# Altium PCB 2019主控板v1.1.PcbDoc (continued)
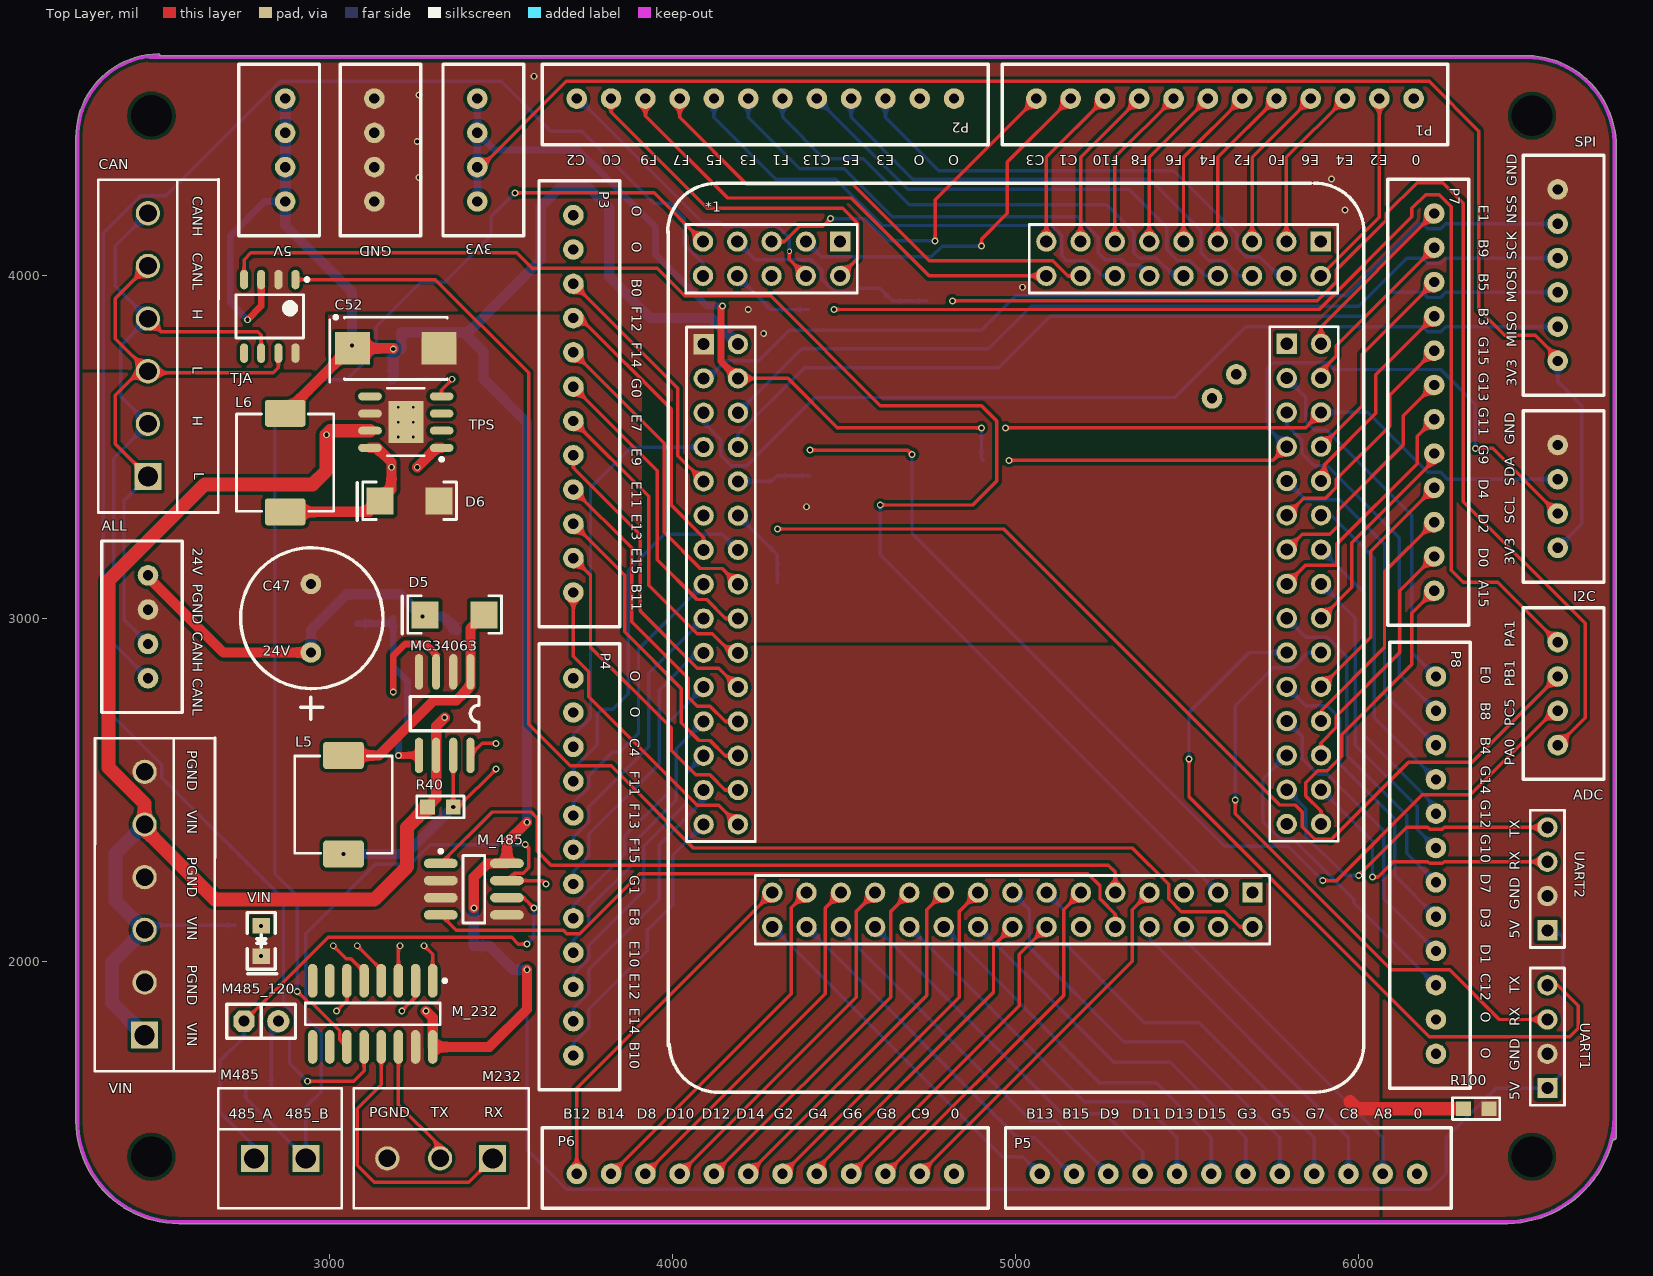
[diagram p0: Top Layer view]
## Nets (pads, with @x,y where several pads share a name; then routed paths per layer and width w, separated by ;. In a path a pad name is that pad's centre, name@x,y a point inside that pad or via, vN(x,y) a via of type N, cw(c..) or ccw(c..) an arc to the next point about the centre after c; other vN are vias at no path point)
3.3V: 3V3.1 3V3.2 3V3.3 3V3.4 *1.32 I2C.1 R48.1 R49.1 SPI.1 | length 6905.8
  Top Layer w10: 3V3.2@3425,4315 3V3.2 3440,4315 3690,4565 6205,4565 6350,4420 6350,3900 6425,3825 6515,3825 SPI.1@6590,3750 ; *1.32 4336,3699 4480,3555 v1(4900,3555)
  Top Layer w20: v1(4145,3910) 4140.47,3905.47 4140.47,3749.47 4140,3749 *1.32
  Bottom Layer w10: R48.1@4900,3465 R48.1@4900,3465.2 ; R49.1@4900,3554.8 R48.1@4900,3465.2 ; R48.1 R48.1@4900,3465.2 ; I2C.1 6650,3275 6650,3620 6580,3690 SPI.1
  Bottom Layer w20: 3V3.1@3425,4210 3V3.1@3425.2,4215.19 ; 3V3.2@3426.97,4305.12 3V3.2@3427.68,4315.17 ; 3V3.1 3V3.2 3V3.3 ; 3V3.4 3V3.3 ; 3V3.3@3434.8,4414.81 3V3.3@3435,4420 ; v1(4145,3910) 4100,3910 3950,4060 3950,4140 3725,4365 3480,4365 3V3.3
5V: 5V.1 5V.2 5V.3 5V.4 *1.30 C52.1 C54.2 C55.2 C56.1 C58.1 L6.2 M_232.16 M_485.8 R45.2 R51.2 TJA.3 UART1.1 UART2.1 | length 10465.3
  Top Layer w20: v1(2760,3870) 2800,3910 TJA.3
  Top Layer w30: L6.2 3065,3792.4 v1(3065,3795) ; C52.1 3183.31,3786.69 v1(3185,3785) v1@3185,3786.85 ; v1(3280,1855) 3300,1835 M_232.16 3465,1750 3575,1860 v1(3575,1975.2) ; v1(3420,2155) 3420,2245 3460,2285 M_485.8 3516.46,2346.46 v1(3575,2405)
  Bottom Layer w10: v1(3575,1975.2) 3575,1450 3690,1335 6210,1335 6255,1380 6255,1485 6400,1630 UART1.1 6550,1632.03 6594.53,1676.56 6594.53,2070.47 UART2.1@6555,2110
  Bottom Layer w20: v1(2760,3870) 2710,3920 2710,4115 2810,4215 5V.4
  Bottom Layer w30: 5V.1@2860,4515 2870,4505 5V.2 5V.3 5V.4 2870,4145 3065,3950 v1(3065,3795) ; R45.2 3185,3699.84 v1(3185,3785) 3208.03,3785 3208.03,3833.35 3390,3833.35 ; v1(3420,2155) C58.1 3465,2045 3534.8,1975.2 v1(3575,1975.2) ; v1(3575,2405) 3575,3570 3448.35,3696.65 3448.35,3775 3390,3833.35 ; *1.30 4114,3875 3935,3875 3815,3995 3815,4195 3750,4260 3675,4260 3615,4200 3615,4045 3403.35,3833.35 3390,3833.35
24V: ALL.1 C47.1 C48.2 D5.K R41.1 | length 1114.8
  Top Layer w30: 2490,3100 2690,2900 C47.1
  Bottom Layer w30: C47.1 2945,2965 3050,3070 3205,3070 v1(3270,3005) 3330,3005 C48.2
ADC1_1: ADC.1 R32.2 | length 3431.3
  Top Layer w10: v1(4815,3925) 5878.97,3925 5933.53,3979.56 5933.53,4014.24 6080,4160.72 6080,4180 6170,4270 6245,4270 6305,4210 6305,3340 6660,2985 6660,2710 6600,2650 ADC.1@6600,2640
ADC1_2: ADC.2 R38.2 | length 3083.7
  Top Layer w10: v1(4400,3490) 4685,3490 v1(4697.5,3477.5) ; v1(5895,2235) 5935,2235 6185,2485 6325,2485 6570,2730 ADC.2 6590,2730 6600,2720 ADC.2@6600,2740
  Bottom Layer w10: v1(4697.5,3477.5) 4697.5,3247.5 5609.53,2335.47 5794.53,2335.47 v1(5895,2235)
ADC2: ADC.3 R33.2 | length 2898
  Top Layer w10: v1(4305,3260) 4965,3260 5769.53,2455.47 5814.53,2455.47 5835,2435 5835,2392.03 5871.56,2355.47 5914.53,2355.47 5917.5,2352.5 6145,2580 6330,2580 ADC.3 6590,2840 ADC.3@6600,2840
ADC3: ADC.4 R37.2 | length 3440.7
  Top Layer w10: v1(4470,3900) 5885,3900 6155,4170 6155,4195 6195,4235 6235,4235 6270,4200 6270,3140 6305,3105 6405,3105 6570,2940 ADC.4@6600,2940
CAN_RX: *1.61 TJA.4 | length 4547.2
  Top Layer w10: TJA.4 2750,4045 2770,4065 3545,4065 3591.54,4018.46 3593.08,4020 3955,4020 4035,3940 4285,3940 4605,3620 4900,3620 4945,3575 4945,3400 4875,3330 v1(4605,3330)
  Bottom Layer w10: v1(4605,3330) 4605,3185 *1.61
CAN_TX: *1.60 TJA.1 | length 4196.5
  Top Layer w10: TJA.1 3307.72,3987.28 3580,3715 3580,2691.36 3701.36,2570 3820,2570 4060,2330 5340,2330 5445.47,2224.53 5445.47,2181.56 5482.5,2144.53 5608.44,2144.53 5652.97,2100 *1.60
CANH: ALL.3 CAN.1 CAN.3 CAN.5 TJA.7 | length 1763.1
  Top Layer w10: CAN.1 2375,3507.91 2375,3650 2445,3720 CAN.3 ; CAN.5 2375,3932.09 2375,3815 CAN.3 ; TJA.7 2850,3730 2835,3715 2475,3715 CAN.3
  Bottom Layer w10: ALL.3 2400,2995 2400,3342.91 CAN.1
CANL: ALL.4 CAN.2 CAN.4 CAN.6 TJA.6 | length 1985.8
  Top Layer w10: CAN.4 2508.54,3835 2790,3835 2800,3825 TJA.6
  Bottom Layer w10: ALL.4 2370,2925 2370,3466.46 CAN.2 2390,3646.46 2390,3793.54 CAN.4 2375,3968.54 2375,4085.63 CAN.6
GND: *1.29 GND.1 GND.2 GND.3 GND.4 I2C.4 R35.1 R36.1 R42.1 R43.1 R100.2 SPI.6 TJA.2 TJA.8 UART1.2 UART2.2
  other v1: 4390,3325 4265,3830 4220,3900 5020,3965 5960,4190 5920,4280 3260,4285 3255,4390 3260,4525 3595,4580
MAX485_A: M485.2 M485_120.2 M_485.6 R51.1 | length 1624.4
  Top Layer w10: M485_120.2@2735,1825 M485_120.2 2995,2070 3530,2070 3550,2050 v1(3575,2050) ; M_485.6 3565,2185 v1(3595,2155)
  Bottom Layer w10: M485_120.2 2750,1780 2680,1710 2680,1560 2780,1460 M485.2 ; v1(3575,2050) 3595,2070 v1(3595,2155)
MAX485_B: M485.1 M_485.7 R50.2 R52.2 | length 1991.6
  Top Layer w10: v1(3570,2340) 3580.67,2329.33 3580.67,2273.08 3563.81,2256.22 3537.68,2256.22 M_485.7 3619.8,2235 v1(3630,2224.8)
  Bottom Layer w10: R52.2@2760,1630 R52.2 2755,1600 M485.1 2930,1575 2975,1620 2975,1790 2930,1835 2930,2080 3132.6,2282.6 3235.02,2282.6 3292.43,2340 v1(3570,2340)
NetC50_2: C50.2 MC34063.3 | length 308.3
  Top Layer w20: v1(3185,2785) 3185,2890 3220,2925 3280,2925 3310,2895 MC34063.3
NetC51_1: C51.1 TPS.1 | length 94.5
  Top Layer w30: v1(3255,3440) 3311.69,3496.69 TPS.1
NetC51_2: C51.2 D6.K L6.1 TPS.8 | length 496.8
  Top Layer w30: L6.1 3114.96,3310 D6.K 3180,3375.04 v1(3180,3440) 3180,3455 3138.31,3496.69 TPS.8
NetC55_1: C55.1 M_232.2 | length 104.5
  Top Layer w10: v1(3210,1855) 3250,1895 M_232.2
NetC57_1: C57.1 M_232.3 | length 104.2
  Top Layer w10: M_232.3 3200,2040 v1(3205,2045)
NetC57_2: C57.2 M_232.1 | length 112.4
  Top Layer w10: v1(3275,2045) 3300,2020 M_232.1
NetC59_1: C59.1 M_232.5 | length 147.6
  Top Layer w10: v1(3010,2045) 3047.87,2007.13 3061.92,2007.13 3100,1969.05 M_232.5
NetC59_2: C59.2 M_232.4 | length 131.1
  Top Layer w10: v1(3080,2045) 3150,1975 M_232.4
NetC60_2: C60.2 M_232.6 | length 100.3
  Top Layer w10: v1(3020,1855) 3050,1885 M_232.6
NetD5_A: D5.A L5.1 MC34063.1 | length 678.5
  Top Layer w30: L5.1 3143.43,2600 3303.43,2760 3368.51,2760 3410,2801.49 MC34063.1 3410,2970 D5.A
NetL5_2: L5.2 MC34063.7 R39.1 R40.2 | length 697.5
  Top Layer w10: MC34063.7 v1(3360,2450) 3375,2450 v1(3485,2560)
  Bottom Layer w30: v1(3040,2312.6) 3222.6,2312.6 v1(3360,2450)
NetM485_120_1: M485_120.1 R52.1 | length 197.2
  Bottom Layer w10: R52.1 2829.8,1819.8 M485_120.1@2835,1825
NetMC34063_5: MC34063.5 R41.2 R44.1 | length 599.6
  Top Layer w20: v1(3200,2600) MC34063.5
  Bottom Layer w20: R44.1 3169.8,2984.8 R41.2 3185,2858.56 3226.65,2816.91 3226.65,2682.23 3200,2655.57 v1(3200,2600)
NetMC34063_8: MC34063.8 R39.2 | length 89.5
  Top Layer w10: MC34063.8 3445,2635 v1(3485,2635)
NetR45_1: R45.1 R46.2 TPS.4 | length 162.7
  Top Layer w10: TPS.4 3325.98,3666.02 v1(3356.65,3696.69)
  Bottom Layer w10: R45.1 v1(3356.65,3696.69)
NetR47_1: R47.1 VIN.A
  other v1: 2800,2103
PA0: *1.25 R32.1 R35.2 | length 645.8
  Bottom Layer w10: *1.25 4241,4045 4403.97,4045 4435,4013.97 4435,3988.03 4469.56,3953.47 4529.15,3953.47 4537.33,3961.65 4603.35,3961.65 R35.2 R32.1
PA1: *1.26 R37.1 R42.2 | length 247.8
  Bottom Layer w10: *1.26 4286,3900 R42.2 R37.1
PA8: *1.64 P5.2 | length 960.2
  Bottom Layer w10: *1.64 5490,2065 6070,1485 P5.2
PA15: *1.118 P7.12 | length 870
  Top Layer w10: *1.118 5890,2437.03 5845.47,2481.56 5845.47,2520.47 5880.47,2555.47 5908.44,2555.47 5950,2597.03 5950,2660 6155,2865 6155,3015 P7.12
PB0: *1.37 P3.10 | length 733.4
  Top Layer w10: P3.10 4015,3670 4015,3474 *1.37
PB1: *1.40 R33.1 R36.2 | length 242.2
  Bottom Layer w10: *1.40 4191,3299 R33.1 R36.2
PB3: *1.98 P7.4 | length 616.7
  Top Layer w10: *1.98 5900,3410 5900,3447.03 6050,3597.03 6050,3710 P7.4
PB4: *1.97 P8.3 | length 1008.8
  Bottom Layer w10: *1.97 5845,3345 5945,3345 6075,3215 6075,2780 P8.3
PB5: *1.96 P7.3 | length 616.7
  Top Layer w10: *1.96 6010,3620 6010,3770 P7.3
PB8: *1.93 P8.2 | length 1072.4
  Bottom Layer w10: *1.93 5790,3562.97 5834.53,3518.44 5834.53,3480.47 5870.47,3444.53 5908.44,3444.53 6117.97,3235 6117.97,2837.03 P8.2
PB9: *1.92 P7.2 | length 516.7
  Top Layer w10: *1.92 5890,3720 5934.53,3764.53 5934.53,3794.53 P7.2
PB10: *1.57 P4.1 | length 831.4
  Bottom Layer w10: P4.1 3710,1761.36 3755,1806.36 3755,1860 3925,2030 3925,2090 4000,2165 4000,2309 *1.57
PB11: *1.58 P3.1 | length 911.7
  Top Layer w10: P3.1 3710,2888.64 3755,2843.64 3755,2771.03 4071.56,2454.47 4134.53,2454.47 *1.58
PB12: *1.87 P6.12 | length 1056.1
  Top Layer w10: P6.12 3720,1630 *1.87
PB13: *1.88 P5.12 | length 1078.2
  Bottom Layer w10: *1.88 4960,1430 5020,1430 P5.12
PB14: *1.85 P6.11 | length 1056.1
  Top Layer w10: P6.11 4345.47,1905.47 4345.47,2155.47 *1.85
PB15: *1.86 P5.11 | length 1078.2
  Bottom Layer w10: *1.86 5005,1485 5055,1485 5160,1380 P5.11
PC0: *1.20 P2.2 | length 1068.2
  Top Layer w10: P2.2 3820,4475 4100,4195 4495,4195 4540,4150 4540,4050 *1.20
PC1: *1.21 P1.2 | length 1081.2
  Top Layer w10: v1(4900,4085) 4900,4105 4975,4180 4975,4330 P1.2
  Bottom Layer w10: *1.21 4432.53,4053.47 4753.83,4053.47 4785.36,4085 v1(4900,4085)
PC2: *1.22 P2.1 | length 921.1
  Top Layer w10: v3(4340,4070) 4340,4046 *1.22
  Bottom Layer w10: P2.1@3720,4520 4085.65,4154.35 4137.01,4154.35 4148.83,4142.53 4306.44,4142.53 4340,4108.97 v3(4340,4070)
PC3: *1.23 P1.1 | length 1068.9
  Top Layer w10: *1.23 4325.03,4098 4369.56,4142.53 4437.53,4142.53 v1(4460,4165) ; v1(4765,4100) 4765,4220 P1.1
  Bottom Layer w10: v1(4460,4165) 4561.72,4165 4626.72,4100 v1(4765,4100)
PC4: *1.35 P4.10 | length 1155
  Bottom Layer w10: P4.10 3710,2660 3760,2710 3760,3380 3879,3499 *1.35
PC5: *1.38 R38.1 R43.2 | length 216.7
  Bottom Layer w10: *1.38 4289,3399 R43.2 4399.8,3415 R38.1
PC8: *1.66 P5.3 | length 960.2
  Bottom Layer w10: *1.66 5390,2065 5970,1485 P5.3
PC9: *1.65 P6.2 | length 1097.5
  Top Layer w10: P6.2 5340,2000 5340,2150 *1.65
PC12: *1.113 P8.10 | length 945.6
  Bottom Layer w10: *1.113@5790,2585 *1.113 5720,2530 5720,2407.03 5771.56,2355.47 5809.53,2355.47 5905,2260 5905.36,2260 5985,2180.36 5985,2170 P8.10
PC13: *1.8 P2.8 | length 1421.2
  Bottom Layer w10: P2.8 4685,4250 5330,4250 5440,4140 5440,4075 5472.47,4042.53 5507.44,4042.53 5551.97,3998 *1.8
PD0: *1.114 P7.11 | length 716.7
  Top Layer w10: *1.114 5890,2637.03 5934.53,2681.56 5934.53,2714.53 6120,2900 6120,3080 P7.11
PD1: *1.111 P8.9 | length 866.6
  Bottom Layer w10: *1.111 5835,2655 5835,2590 5880.47,2544.53 5908.44,2544.53 6072.97,2380 6072.97,2182.03 P8.9
PD2: *1.112 P7.10 | length 716.7
  Top Layer w10: *1.112 5890,2730 6075,2915 6075,3135 P7.10
PD3: *1.109 P8.8 | length 887.1
  Bottom Layer w10: *1.109 5845.47,2744.53 5908.44,2744.53 5945,2707.97 5945,2575 6105,2415 6105,2250 P8.8
PD4: *1.110 P7.9 | length 716.7
  Top Layer w10: *1.110 6035,2945 6035,3195 P7.9
PD7: *1.105 P8.7 | length 987.1
  Bottom Layer w10: *1.105 5845.47,2944.53 5908.44,2944.53 5965,2887.97 5965,2600 6140,2425 6140,2315 P8.7
PD8: *1.83 P6.10 | length 1056.1
  Top Layer w10: P6.10 4445,1905 4445,2155 *1.83
PD9: *1.84 P5.10 | length 1084.1
  Bottom Layer w10: *1.84 4490,2090 5045,1535 5115,1535 P5.10
PD10: *1.81 P6.9 | length 1056.1
  Top Layer w10: P6.9 4535,1895 4535,2145 *1.81
PD11: *1.82 P5.9 | length 1116.3
  Bottom Layer w10: *1.82 5135,1555 5260,1555 5370,1445 P5.9
PD12: *1.79 P6.8 | length 1056.1
  Top Layer w10: P6.8 4635,1895 4635,2145 *1.79
PD13: *1.80 P5.8 | length 1139.7
  Bottom Layer w10: *1.80 5200,1590 5365,1590 5470,1485 P5.8
PD14: *1.77 P6.7 | length 1056.1
  Top Layer w10: P6.7 4740,1900 4740,2150 *1.77
PD15: *1.78 P5.7 | length 1139.7
  Bottom Layer w10: *1.78 5245,1645 5410,1645 5570,1485 P5.7
PE0: *1.91 P8.1 | length 1070.7
  Bottom Layer w10: *1.91 5845.47,3644.53 5845.47,3574.53 5870,3550 5905,3550 6155,3300 6155,2900 P8.1
PE1: *1.90 P7.1 | length 516.7
  Top Layer w10: *1.90 5890,3850 P7.1
PE2: *1.2 P1.11 | length 587.8
  Top Layer w10: *1.2 6060,4169 P1.11
PE3: *1.4 P2.10 | length 1439.4
  Bottom Layer w10: P2.10 4620,4460 4775,4305 5460,4305 5644.47,4120.53 5644.47,4079.56 5670.56,4053.47 5711.53,4053.47 5767,3998 *1.4
PE4: *1.3 P1.10 | length 487.8
  Top Layer w10: *1.3 5789,4344 P1.10
PE5: *1.6 P2.9 | length 1453.4
  Bottom Layer w10: P2.9 4520,4460 4700,4280 5390,4280 5540,4130 5540,4065 5562.47,4042.53 5607.44,4042.53 5651.97,3998 *1.6
PE6: *1.5 P1.9 | length 487.8
  Top Layer w10: *1.5 5689,4344 P1.9
PE7: *1.48 P3.6 | length 911.7
  Top Layer w10: P3.6 3930,3355 3930,3096.03 4071.56,2954.47 4115.53,2954.47 4171,2899 *1.48
PE8: *1.49 P4.5 | length 831.4
  Bottom Layer w10: P4.5 3710,2161.36 3860,2311.36 3860,2365 3985,2490 3985,2694 *1.49
PE9: *1.50 P3.5 | length 911.7
  Top Layer w10: P3.5 3710,3438.64 3905,3243.64 3905,3021.03 4071.56,2854.47 4134.53,2854.47 *1.50
PE10: *1.51 P4.4 | length 831.4
  Bottom Layer w10: P4.4 3710,2061.36 3755,2106.36 3755,2155 3890,2290 3890,2350 4010,2470 4010,2619 *1.51
PE11: *1.52 P3.4 | length 918.2
  Top Layer w10: P3.4 3880,3205 3880,2990 4045.47,2824.53 4045.47,2769.53 4071.47,2743.53 4108.44,2743.53 4152.97,2699 *1.52
PE12: *1.53 P4.3 | length 831.4
  Bottom Layer w10: P4.3 3710,1961.36 3755,2006.36 3755,2045 3915,2205 3915,2335 4040,2460 4040,2549 *1.53
PE13: *1.54 P3.3 | length 915.2
  Top Layer w10: P3.3 3860,3125 3860,2960 4025,2795 4025,2695 4076.47,2643.53 4108.44,2643.53 4152.97,2599 *1.54
PE14: *1.55 P4.2 | length 831.4
  Bottom Layer w10: P4.2 3710,1861.36 3755,1906.36 3755,1975 3960,2180 3960,2340 4090,2470 *1.55
PE15: *1.56 P3.2 | length 941.1
  Top Layer w10: P3.2@3710,3155 P3.2 3760,3125 3760,2915 3995,2680 3995,2615 4066.47,2543.53 4108.44,2543.53 4152.97,2499 *1.56
PF0: *1.7 P1.8 | length 487.8
  Top Layer w10: *1.7 5589,4344 P1.8
PF1: *1.10 P2.7 | length 1450.5
  Bottom Layer w10: P2.7 4320,4460 4440,4340 4555,4340 4690,4205 5265,4205 5344.47,4125.53 5344.47,4065.53 5360,4050 5410,4050 5462,3998 *1.10
PF2: *1.9 P1.7 | length 487.8
  Top Layer w10: *1.9 5489,4344 P1.7
PF3: *1.12 P2.6 | length 1441.7
  Bottom Layer w10: P2.6 4220,4460 4370,4310 4500,4310 4640,4170 5180,4170 5240,4110 5240,4065 5260,4045 5310,4045 5325,4030 5357,4030 *1.12
PF4: *1.11 P1.6 | length 487.8
  Top Layer w10: *1.11 5389,4344 P1.6
PF5: *1.14 P2.5 | length 1450.5
  Bottom Layer w10: P2.5 4120,4460 4300,4280 4475,4280 4610,4145 5104.97,4145 5133.53,4116.44 5133.53,4056.47 5147.47,4042.53 5207.44,4042.53 5251.97,3998 *1.14
PF6: *1.13 P1.5 | length 487.8
  Top Layer w10: *1.13 5289,4344 P1.5
PF7: *1.16 P2.4 | length 1415.4
  Top Layer w10: P2.4 4020,4460 4215,4265 4525,4265 4747.47,4042.53 5107.44,4042.53 5151.97,3998 *1.16
PF8: *1.15 P1.4 | length 487.8
  Top Layer w10: *1.15 5189,4344 P1.4
PF9: *1.18 P2.3 | length 1412.4
  Top Layer w10: P2.3 3920,4465 4160,4225 4520,4225 4747,3998 *1.18
PF10: *1.17 P1.3 | length 487.8
  Top Layer w10: *1.17 5089,4344 P1.3
PF11: *1.42 P4.9 | length 1081.4
  Bottom Layer w10: P4.9 3710,2561.36 3780,2631.36 3780,2720 3795,2735 3825,2735 3870,2780 3870,3140 3975,3245 4144,3245 *1.42
PF12: *1.41 P3.9 | length 845.1
  Top Layer w10: P3.9 3730,3875 3995,3610 3995,3330 4090,3235 *1.41
PF13: *1.43 P4.8 | length 843.1
  Bottom Layer w10: P4.8 3710,2461.36 3755,2506.36 3755,2540 3825,2610 3845,2610 3900,2665 3900,2909 *1.43
PF14: *1.44 P3.8 | length 912.3
  Top Layer w10: P3.8 3975,3510 3975,3250 4080,3145 4144,3145 *1.44
PF15: *1.45 P4.7 | length 831.4
  Bottom Layer w10: P4.7 3710,2361.36 3755,2406.36 3755,2450 3930,2625 3930,2839 *1.45
PG0: *1.46 P3.7 | length 912.3
  Top Layer w10: P3.7 3955,3430 3955,3170 4070.53,3054.47 4099.06,3054.47 4154.53,2999 *1.46
PG1: *1.47 P4.6 | length 843.7
  Bottom Layer w10: P4.6 3710,2261.36 3755,2306.36 3755,2370 3960,2575 3960,2790 4069,2899 *1.47
PG2: *1.75 P6.6 | length 1056.1
  Top Layer w10: P6.6 4835,1895 4835,2145 *1.75
PG3: *1.76 P5.6 | length 1139.7
  Bottom Layer w10: *1.76 5285,1705 5450,1705 5670,1485 P5.6
PG4: *1.74 P6.5 | length 956.1
  Top Layer w10: P6.5 4420,1395 4935,1910 4935,2045 *1.74
PG5: *1.73 P5.5 | length 1245.6
  Bottom Layer w10: *1.73 5040,2150 5040,2040 5315,1765 5490,1765 5770,1485 P5.5
PG6: *1.72 P6.4 | length 956.1
  Top Layer w10: P6.4 5010,1870 5010,2020 *1.72
PG7: *1.71 P5.4 | length 1236.8
  Bottom Layer w10: *1.71 5140,2150 5140,2055 5375,1820 5535,1820 5870,1485 P5.4
PG8: *1.69 P6.3 | length 1056.1
  Top Layer w10: P6.3 5140,1900 5140,2150 *1.69
PG9: *1.106 P7.8 | length 616.7
  Top Layer w10: *1.106 5980,3090 5980,3220 6220,3460 P7.8
PG10: *1.104 P8.6 | length 908.8
  Bottom Layer w10: *1.104 5990,3000 5990,2630 6170,2450 6170,2385 P8.6
PG11: *1.103 P7.7 | length 710.8
  Top Layer w10: *1.103 5845,3155 5935,3155 5935,3215 6170,3450 6170,3530 P7.7
PG12: *1.102 P8.5 | length 908.8
  Bottom Layer w10: *1.102 6015,3075 6015,2660 6225,2450 P8.5
PG13: *1.101 P7.6 | length 705
  Top Layer w10: *1.101 5835,3245 5915,3245 5940,3270 5940,3315 6130,3505 6130,3590 P7.6
PG14: *1.100 P8.4 | length 926.3
  Bottom Layer w10: *1.100 5920,3300 6045,3175 6045,2710 P8.4
PG15: *1.99 P7.5 | length 695
  Top Layer w10: *1.99 5840,3350 5902.97,3350 5934.53,3381.56 5934.53,3404.53 6090,3560 6090,3650 P7.5
PGND: ALL.2 C47.2 C48.1 C49.1 C50.1 C52.2 C53.1 C54.1 C56.2 C58.2 C60.1 D6.A M232.3 M_232.15 M_485.2 M_485.3 M_485.5 MC34063.2 MC34063.4 R44.2 R46.1 R50.1 R100.1 TPS.6 TPS.9 VIN.2 VIN.4 VIN.6 VIN.K | length 338.3
  Top Layer w40: 5975,1590 5995,1570 R100.1
  other v1: 2800,2015
  other v2: 3200,3528.39 3243.31,3528.39 3200,3571.69 3243.31,3571.69 3200,3615 3243.31,3615
RS232_RX: M232.1 M_232.13 | length 818.7
  Top Layer w10: M_232.13 3150,1640 3080,1570 3080,1405 3130,1355 3405,1355 M232.1
RS232_TX: M232.2 M_232.14 | length 375.3
  Top Layer w10: M_232.14 3200,1581.46 3321.46,1460 M232.2
SCL: *1.95 I2C.2 R48.2 | length 2209.9
  Top Layer w10: v1(4980,3460) 5750,3460 *1.95 ; v1(6340,3495) 6390,3495 I2C.2 I2C.2@6600,3305
  Bottom Layer w10: *1.95 5732.5,3557.5 5732.5,3727.5 5749.53,3744.53 5908.44,3744.53 5927.97,3725 6238.64,3725 6340,3623.64 v1(6340,3495)
SDA: *1.94 I2C.3 R49.2 | length 1729.4
  Top Layer w10: v1(4970,3555) 5845,3555 *1.94
  Bottom Layer w10: *1.94 6026.36,3600 6201.36,3425 6238.64,3425 6258.64,3405 I2C.3 I2C.3@6600,3405
SPI_MISO: *1.33 SPI.2 | length 2777.3
  Bottom Layer w10: *1.33 4090,3570 4140,3520 4140,3475 4170,3445 4215,3445 4413.53,3643.53 5463.53,3643.53 5670,3850 6186.36,3850 6201.36,3835 6238.64,3835 6253.64,3850 SPI.2
SPI_MOSI: *1.36 SPI.3 | length 2610.9
  Bottom Layer w10: *1.36 4190,3536.03 4383.97,3730 4950,3730 5100,3880 6020,3880 6090,3950 6186.36,3950 6201.36,3935 6238.64,3935 6253.64,3950 SPI.3
SPI_NSS: *1.31 SPI.5 | length 2689.2
  Bottom Layer w10: *1.31 4104,3699 4155,3750 4250,3750 4340,3840 4900,3840 5000,3940 5965,3940 6175,4150 6186.36,4150 6201.36,4135 6238.64,4135 6253.64,4150 SPI.5
SPI_SCK: *1.34 SPI.4 | length 2589.2
  Bottom Layer w10: *1.34 4376,3785 4920,3785 5045,3910 6000,3910 6140,4050 6186.36,4050 6201.36,4035 6238.64,4035 6253.64,4050 SPI.4
USART1_RX: *1.62
USART1_TX: *1.63
USART2_RX: *1.108 UART1.3 | length 1787.7
  Top Layer w10: v1(5640,2470) 5640,2430 6095,1975 6265,1975 6410,1830 UART1.3
  Bottom Layer w10: v1(5640,2470) 5640,2745 5750.47,2855.47 5808.44,2855.47 5852.97,2900 *1.108
USART2_TX: *1.107 UART1.4 | length 2217.6
  Top Layer w10: v1(5505,2590) 5505,2480 6205,1780 6615,1780 6640,1805 6640,1870 6580,1930 UART1.4
  Bottom Layer w10: v1(5505,2590) 5505,2725 5680,2900 *1.107
USART3_RX: *1.28 M_232.12 | length 5211.6
  Top Layer w10: v1(2935,1650) 3070,1650 3100,1680 M_232.12
  Bottom Layer w10: v1(2935,1650) 2882.5,1702.5 2882.5,1775.32 2897.5,1790.32 2897.5,1844.68 2865,1877.18 2865,2180 2510.43,2534.57 2510.43,2572.98 2340,2743.41 2340,4121.95 2449.11,4231.06 2522.42,4231.06 2856.36,4565 3500,4565 3645,4420 3735,4420 3945,4210 3990.36,4210 4033.83,4166.53 4033.83,4089.2 4088,4035.03 *1.28
USART3_TX: *1.27 M_232.11 | length 3564.2
  Top Layer w10: v1(2905,1911.78) 2938.08,1878.7 2947.43,1878.7 3028.78,1797.35 3028.78,1771.22 M_232.11 ; v1(3540,4240) 3946,4240 *1.27
  Bottom Layer w10: v1(2905,1911.78) 2905,2190 2840,2255 2840,3560 2975,3695 3050,3695 3135,3780 3135,3850 3265,3980 3335,3980 3470,4115 3470,4170 v1(3540,4240)
USART4_RX: *1.67 M_485.1 | length 2219.7
  Top Layer w10: M_485.1 3473.54,2435 3587.43,2435 3602.43,2420 3605,2420 3605,2320 3645,2280 5270,2280 5290,2260 *1.67
USART4_TX: *1.68 M_485.4 | length 2169.9
  Top Layer w10: M_485.4 3368.54,2090 3681.36,2090 3691.36,2080 3728.64,2080 3903.64,2255 5210,2255 5245.47,2219.53 5245.47,2181.56 5290,2137.03 *1.68
USART5_RX: *1.116 UART2.3 | length 854.1
  Top Layer w10: v1(6040,2245) 6055,2245 6100,2290 6201.36,2290 6206.36,2285 6243.64,2285 6248.64,2290 UART2.3
  Bottom Layer w10: *1.116 6045,2345 6040,2340 v1(6040,2245)
USART5_TX: *1.115 UART2.4 | length 972.5
  Top Layer w10: v1(6000,2250) 6140,2390 6201.36,2390 6206.36,2385 6243.64,2385 6248.64,2390 UART2.4
  Bottom Layer w10: *1.115 5845.47,2444.53 5845.47,2364.53 5960,2250 v1(6000,2250)
VIN: C49.2 C53.2 MC34063.6 R40.1 R47.2 TPS.7 VIN.1 VIN.3 VIN.5 | length 4177
  Top Layer w30: R40.1 3310,2474.8 MC34063.6 3310,2685 v1(3335,2710)
  Top Layer w40: TPS.7 3001.69,3546.69 v1(2990,3535) 2990,3430 2950,3390 2635.15,3390 2355,3109.85 2355,2564.55 2460,2459.55 VIN.5 2460,2385 2665,2180 3130,2180 3225,2275 3225,2389.8 R40.1
  Bottom Layer w10: VIN.3 2473.54,2105 R47.2
  Bottom Layer w40: VIN.1 2365,1879.37 2365,1996.46 VIN.3 2375,2176.46 2375,2313.54 VIN.5
pads on no net: *1.1 *1.19 *1.24 *1.39 *1.59 *1.70 *1.89 *1.117 *1.119 *1.120 M_232.7 M_232.8 M_232.9 M_232.10 P1.12 P2.11 P2.12 P3.11 P3.12 P4.11 P4.12 P5.1 P6.1 P8.11 P8.12 TJA.5 TPS.2 TPS.3 TPS.5

## Polygon pours and split planes (outlines as drawn)
PGND on Top Layer "Bottom Layer-No Net" (solid, remove dead copper, pour order 48): 2150,3715 2980,3715 2990,3705 2995,3710 2995,3885 3915,3885 3910,3880 3910,2920 6050,2920 6060,2910 6060,1000 2290,1000 2140,1150
GND on Top Layer "Bottom Layer-No Net" (solid, remove dead copper, pour order 56): 1980,1155 7365,1155 7400,1190 6990,1600 6990,4995 2355,4995 2065,4705
PGND on Bottom Layer "Bottom Layer-No Net" (solid, remove dead copper, pour order 50): 2200,3715 2210,3725 2965,3725 2965,3730 3000,3765 3000,3885 3905,3885 3915,3875 3910,3870 3910,2940 5295,2940 5300,2935 5305,2940 6065,2940 6065,1140 6020,1095 2175,1095
GND on Bottom Layer "Bottom Layer-No Net" (solid, remove dead copper, pour order 58): 2075,1110 2090,1095 7195,1095 7195,4680 6965,4910 6860,4805 2040,4805

## Keep-outs
Keep-Out Layer:
  lines w10: 2475,4635 2565,4635 6315,4635 6475,4635 cw(c6487.5,4377.5) 6745,4390 6745,1485 ; 2500,4640 ccw(c2502.5,4402.5) 2265,4400 2265,1555 2265,1535 ccw(c2560,1535) 2560,1240 6415,1240 ccw(c6427.5,1557.5) 6745,1545

## Silkscreen, mask and mechanical layers (free items; w line width, h text height)
Top Overlay:
  text "C2" at 3745,4350 h30 r180
  text "C0" at 3850,4350 h30 r180
  text "F9" at 3955,4350 h30 r180
  text "F7" at 4050,4350 h30 r180
  text "F5" at 4145,4350 h30 r180
  text "F3" at 4245,4350 h30 r180
  text "F1" at 4340,4350 h30 r180
  text "C13" at 4460,4350 h30 r180
  text "E5" at 4545,4350 h30 r180
  text "E3" at 4645,4350 h30 r180
  text "O" at 4735,4350 h30 r180
  text "O" at 4835,4350 h30 r180
  text "C3" at 5085,4350 h30 r180
  text "C1" at 5180,4350 h30 r180
  text "F10" at 5300,4350 h30 r180
  text "F8" at 5385,4350 h30 r180
  text "F6" at 5485,4350 h30 r180
  text "F4" at 5585,4350 h30 r180
  text "F2" at 5685,4350 h30 r180
  text "F0" at 5785,4350 h30 r180
  text "E6" at 5885,4350 h30 r180
  text "E4" at 5985,4350 h30 r180
  text "E2" at 6085,4350 h30 r180
  text "0" at 6155,4320 h30
  text "GND" at 6460,4260 h30 r90
  text "CANH" at 2600,4230 h30 r270
  text "E1" at 6350,4205 h30 r270
  text "O" at 3910,4170 h30 r90
  text "NSS" at 6460,4150 h30 r90
  text "B9" at 6350,4105 h30 r270
  text "CANL" at 2600,4065 h30 r270
  text "O" at 3910,4065 h30 r90
  text "SCK" at 6460,4045 h30 r90
  text "B5" at 6350,4005 h30 r270
  text "B0" at 3880,3990 h30 r270
  text "MOSI" at 6460,3920 h30 r90
  text "F12" at 3880,3910 h30 r270
  text "B3" at 6350,3905 h30 r270
  text "H" at 2630,3870 h30 r90
  text "G15" at 6350,3820 h30 r270
  text "F14" at 3880,3805 h30 r270
  text "MISO" at 6460,3790 h30 r90
  text "L" at 2600,3735 h30 r270
  text "G13" at 6350,3715 h30 r270
  text "G0" at 3880,3700 h30 r270
  text "3V3" at 6460,3675 h30 r90
  text "G11" at 6350,3615 h30 r270
  text "E7" at 3880,3595 h30 r270
  text "H" at 2630,3560 h30 r90
  text "G9" at 6350,3505 h30 r270
  text "GND" at 6455,3505 h30 r90
  text "E9" at 3880,3495 h30 r270
  text "L" at 2605,3425 h30 r270
  text "D4" at 6350,3405 h30 r270
  text "E11" at 3880,3400 h30 r270
  text "SDA" at 6455,3385 h30 r90
  text "E13" at 3880,3305 h30 r270
  text "D2" at 6350,3305 h30 r270
  text "SCL" at 6455,3275 h30 r90
  text "24V" at 2600,3205 h30 r270
  text "E15" at 3880,3205 h30 r270
  text "D0" at 6350,3205 h30 r270
  text "3V3" at 6455,3155 h30 r90
  text "A15" at 6350,3110 h30 r270
  text "PGND" at 2600,3100 h30 r270
  text "B11" at 3880,3100 h30 r270
  text "CANH" at 2600,2960 h30 r270
  text "PA1" at 6455,2915 h30 r90
  text "24V" at 2805,2890 h30
  text "E0" at 6355,2860 h30 r270
  text "CANL" at 2600,2825 h30 r270
  text "O" at 3905,2815 h30 r90
  text "PB1" at 6455,2800 h30 r90
  text "B8" at 6355,2755 h30 r270
  text "O" at 3905,2710 h30 r90
  text "PC5" at 6455,2685 h30 r90
  text "B4" at 6355,2655 h30 r270
  text "C4" at 3875,2650 h30 r270
  text "PGND" at 2585,2615 h30 r270
  text "G14" at 6355,2570 h30 r270
  text "PA0" at 6455,2570 h30 r90
  text "F11" at 3875,2555 h30 r270
  text "G12" at 6355,2470 h30 r270
  text "F13" at 3875,2460 h30 r270
  text "VIN" at 2585,2440 h30 r270
  text "G10" at 6355,2370 h30 r270
  text "F15" at 3875,2360 h30 r270
  text "TX" at 6470,2360 h30 r90
  text "PGND" at 2585,2305 h30 r270
  text "RX" at 6470,2265 h30 r90
  text "D7" at 6355,2255 h30 r270
  text "G1" at 3875,2250 h30 r270
  text "E8" at 3875,2155 h30 r270
  text "D3" at 6355,2155 h30 r270
  text "GND" at 6470,2150 h30 r90
  text "VIN" at 2585,2130 h30 r270
  text "5V" at 6470,2065 h30 r90
  text "E10" at 3875,2060 h30 r270
  text "D1" at 6355,2050 h30 r270
  text "PGND" at 2585,1990 h30 r270
  text "E12" at 3875,1965 h30 r270
  text "C12" at 6355,1965 h30 r270
  text "TX" at 6470,1905 h30 r90
  text "E14" at 3875,1865 h30 r270
  text "VIN" at 2585,1820 h30 r270
  text "O" at 6385,1820 h30 r90
  text "RX" at 6470,1810 h30 r90
  text "B10" at 3875,1765 h30 r270
  text "O" at 6385,1715 h30 r90
  text "GND" at 6470,1680 h30 r90
  text "5V" at 6470,1595 h30 r90
  text "PGND" at 3115,1545 h30
  text "TX" at 3295,1545 h30
  text "RX" at 3450,1545 h30
  text "485_A" at 2705,1540 h30
  text "485_B" at 2870,1540 h30
  text "B12" at 3680,1540 h30
  text "B14" at 3780,1540 h30
  text "D8" at 3895,1540 h30
  text "D10" at 3980,1540 h30
  text "D12" at 4085,1540 h30
  text "D14" at 4185,1540 h30
  text "G2" at 4295,1540 h30
  text "G4" at 4395,1540 h30
  text "G6" at 4495,1540 h30
  text "G8" at 4595,1540 h30
  text "C9" at 4695,1540 h30
  text "0" at 4810,1540 h30
  text "B13" at 5030,1540 h30
  text "B15" at 5135,1540 h30
  text "D9" at 5245,1540 h30
  text "D11" at 5340,1540 h30
  text "D13" at 5435,1540 h30
  text "D15" at 5530,1540 h30
  text "G3" at 5645,1540 h30
  text "G5" at 5745,1540 h30
  text "G7" at 5845,1540 h30
  text "C8" at 5945,1540 h30
  text "A8" at 6045,1540 h30
  text "0" at 6160,1540 h30
Bottom Overlay:
  text "A" at 5150,2645 h200
  text "2019MR1主控板v1.1" at 5460,2420 h130